# KiCad board chastity.kicad_pcb (continued)
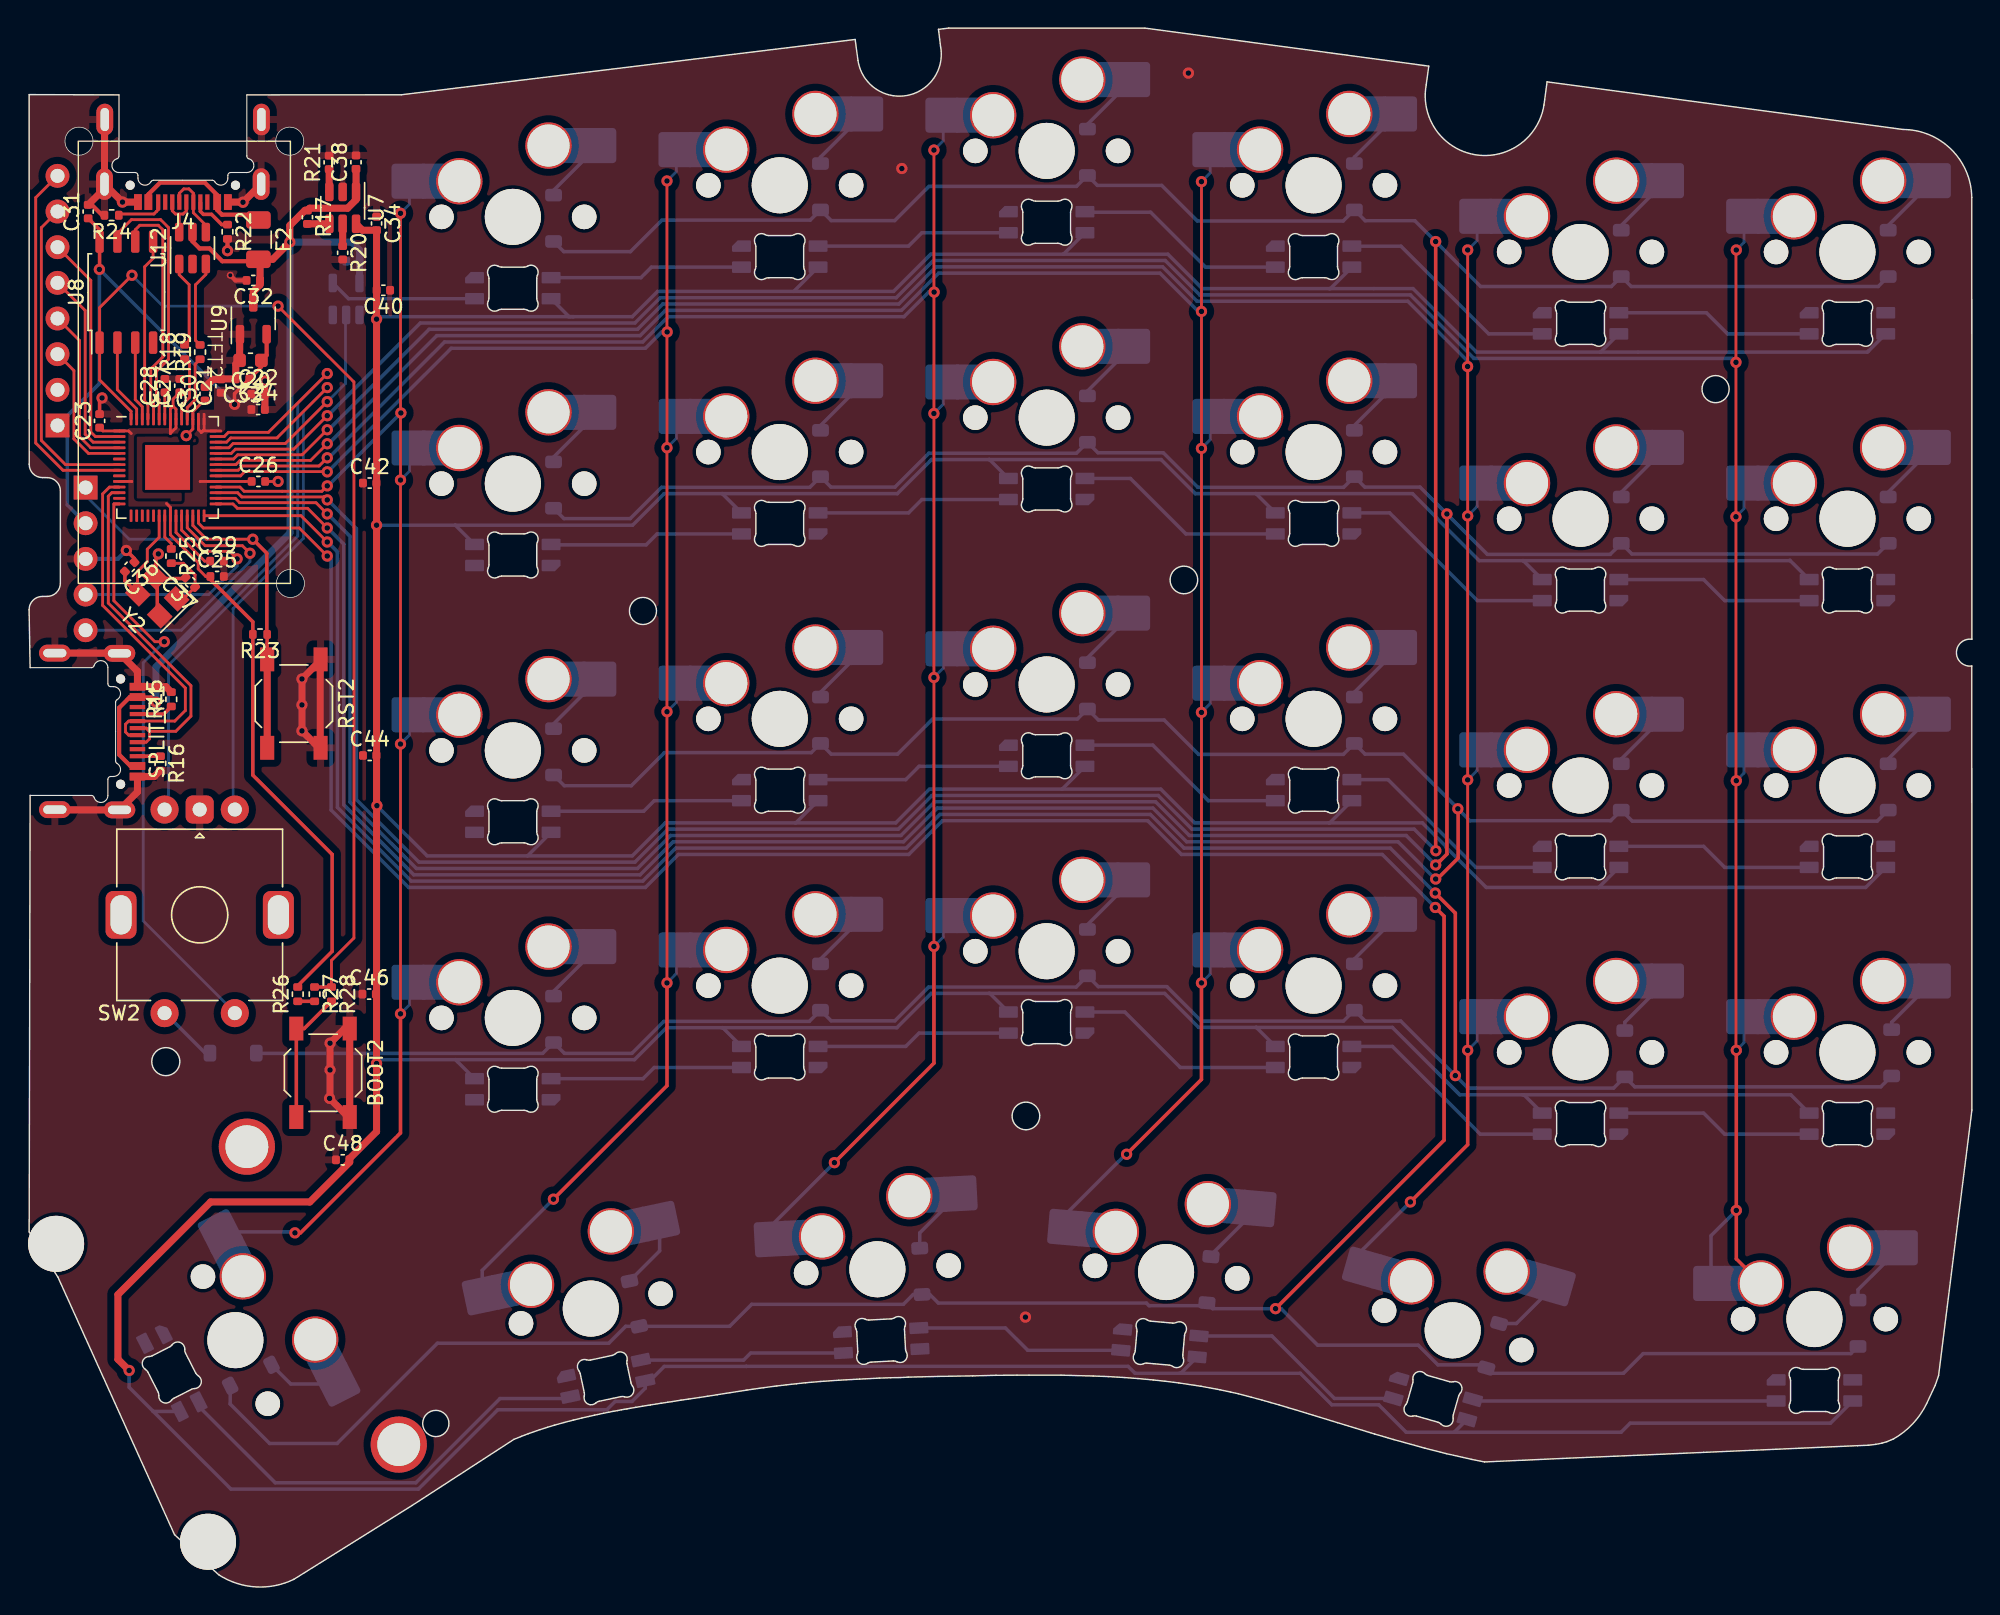
[diagram p0: board, top side]
## Footprints (pads in the part's own frame, mm; a bottom-side part is the same pattern mirrored in y, then rotated) (continued)
  rect 0.54x1.1 smd: A1(-3.2,1.2) A4(-2.45,1.2) A9(2.45,1.2) A12(3.2,1.2) B1(3.2,1.2) B4(2.45,1.2) B9(-2.45,1.2) B12(-3.2,1.2)
  rect 0.3x1.1 smd: A5(-1.25,1.2) A6(-0.25,1.2) A7(0.25,1.2) A8(1.25,1.2) B5(1.75,1.2) B6(0.75,1.2) B7(-0.75,1.2) B8(-1.75,1.2)
  oval 1.2x2.25 hole 0.6x1.65: S1(-5.595,-4.68) S1(-5.575,-0.08) S1(5.555,-4.68) S1(5.575,-0.08)

## Nets
+1V1: C28.1 C29.1 C30.1 U10.23 U10.45 U10.50
+3V3: C20.1 C21.1 C22.1 C23.1 C24.1 C25.1 C26.1 C27.1 C31.1 C33.1 J5.2 J6.1 R23.2 R26.2 U8.8 U9.2 U10.1 U10.10 U10.22 U10.33 U10.42 U10.43 U10.44 U10.48 U10.49
GND: BOOT2.1 C20.2 C21.2 C22.2 C23.2 C24.2 C25.2 C26.2 C27.2 C28.2 C29.2 C30.2 C31.2 C32.2 C33.2 C34.1 C35.1 C36.1 C37.2 C38.2 C40.1 C42.1 C44.1 C46.1 C48.1 J4.A1 J4.A12 J4.B1 J4.B12 J4.S1 J5.3 J6.2 LED31.4 LED32.4 LED33.4 LED34.4 LED35.4 LED36.4 LED37.4 LED38.4 LED39.4 LED40.4 LED41.4 LED42.4 LED43.4 LED44.4 LED45.4 LED46.4 LED47.4 LED48.4 LED49.4 LED50.4 LED51.4 LED52.4 LED53.4 LED54.4 LED55.4 LED56.4 LED57.4 LED58.4 LED59.4 LED60.4 R15.2 R16.2 R20.2 R21.2 R22.2 R24.2 RST2.1 SPLIT_R1.A1 SPLIT_R1.A12 SPLIT_R1.B1 SPLIT_R1.B12 SPLIT_R1.S1 SW2.C U7.2 U8.4 U9.1 U10.19 U10.57 U11.1 U11.3 U12.2 Y2.2 Y2.4
VBUS: F2.1 J4.A4 J4.A9 J4.B4 J4.B9
bl: J6.8 U10.8
clk: J6.4 U10.4
col 0: SW2.S2 U10.14
col 1: MX31.1 MX37.1 MX43.1 MX49.1 MX55.1 U10.32
col 2: MX32.1 MX38.1 MX44.1 MX50.1 MX56.1 U10.34
col 3: MX33.1 MX39.1 MX45.1 MX51.1 MX57.1 U10.35
col 4: MX34.1 MX40.1 MX46.1 MX52.1 MX58.1 U10.36
col 5: MX35.1 MX41.1 MX47.1 MX53.1 MX59.1 U10.37
col 6: MX36.1 MX42.1 MX48.1 MX54.1 MX60.1 U10.38
cs: J6.5 U10.3
CURR_LIM: R20.1 U7.5
D+: R18.2 U12.1
D-: R19.2 U12.3
D_Split_R+: SPLIT_R1.A6 SPLIT_R1.B6 U10.12
D_Split_R-: SPLIT_R1.A7 SPLIT_R1.B7 U10.11
D_USB+: J4.A6 J4.B6 U12.6
D_USB-: J4.A7 J4.B7 U12.4
dc: J6.6 U10.2
DIN: J6.3 U10.5
LED_Data_3V3: U10.39 U11.2
LED_Data_5V: LED31.3 U11.4
LED_Pow_5V: C34.2 C40.2 C42.2 C44.2 C46.2 C48.2 LED31.1 LED32.1 LED33.1 LED34.1 LED35.1 LED36.1 LED37.1 LED38.1 LED39.1 LED40.1 LED41.1 LED42.1 LED43.1 LED44.1 LED45.1 LED46.1 LED47.1 LED48.1 LED49.1 LED50.1 LED51.1 LED52.1 LED53.1 LED54.1 LED55.1 LED56.1 LED57.1 LED58.1 LED59.1 LED60.1 U7.6
Q_CLK: U8.6 U10.52
Q_IO0: U8.5 U10.53
Q_IO1: U8.2 U10.55
Q_IO2: U8.3 U10.54
Q_IO3: U8.7 U10.51
Q_SEL: R27.1 R28.1 U8.1 U10.56
RESET: J5.1 R23.1 RST2.2 U10.26
rot A: SW2.A U10.40
rot B: SW2.B U10.41
row 0: D31.1 D32.1 D33.1 D34.1 D35.1 D36.1 U10.31
row 1: D37.1 D38.1 D39.1 D40.1 D41.1 D42.1 U10.30
row 2: D43.1 D44.1 D45.1 D46.1 D47.1 D48.1 U10.29
row 3: D49.1 D50.1 D51.1 D52.1 D53.1 D54.1 D62.1 U10.28
row 4: D55.1 D56.1 D57.1 D58.1 D59.1 D60.1 U10.27
rst: J6.7 U10.7
SK6803_EN: R21.1 U7.3
SK6803_NFAULT: R17.2 U7.4
Split_5v5_L: C32.1 C35.2 C38.1 F2.2 R17.1 SPLIT_R1.A4 SPLIT_R1.A9 SPLIT_R1.B4 SPLIT_R1.B9 U7.1 U9.3 U11.5 U12.5
SWC: J5.4 U10.24
SWD: J5.5 U10.25
XIN: C36.2 U10.20 Y2.3
XOUT: R25.1 U10.21
Net-(BOOT2-Pad2): BOOT2.2 R28.2
Net-(C37-Pad1): C37.1 R25.2 Y2.1
Net-(D31-A): D31.2 MX31.2
Net-(D32-A): D32.2 MX32.2
Net-(D33-A): D33.2 MX33.2
Net-(D34-A): D34.2 MX34.2
Net-(D35-A): D35.2 MX35.2
Net-(D36-A): D36.2 MX36.2
Net-(D37-A): D37.2 MX37.2
Net-(D38-A): D38.2 MX38.2
Net-(D39-A): D39.2 MX39.2
Net-(D40-A): D40.2 MX40.2
Net-(D41-A): D41.2 MX41.2
Net-(D42-A): D42.2 MX42.2
Net-(D43-A): D43.2 MX43.2
Net-(D44-A): D44.2 MX44.2
Net-(D45-A): D45.2 MX45.2
Net-(D46-A): D46.2 MX46.2
Net-(D47-A): D47.2 MX47.2
Net-(D48-A): D48.2 MX48.2
Net-(D49-A): D49.2 MX49.2
Net-(D50-A): D50.2 MX50.2
Net-(D51-A): D51.2 MX51.2
Net-(D52-A): D52.2 MX52.2
Net-(D53-A): D53.2 MX53.2
Net-(D54-A): D54.2 MX54.2
Net-(D55-A): D55.2 MX55.2
Net-(D56-A): D56.2 MX56.2
Net-(D57-A): D57.2 MX57.2
Net-(D58-A): D58.2 MX58.2
Net-(D59-A): D59.2 MX59.2
Net-(D60-A): D60.2 MX60.2
Net-(D62-A): D62.2 SW2.S1
Net-(J4-CC1): J4.A5 R22.1
Net-(J4-CC2): J4.B5 R24.1
Net-(LED31-DOUT): LED31.2 LED32.3
Net-(LED32-DOUT): LED32.2 LED33.3
Net-(LED33-DOUT): LED33.2 LED34.3
Net-(LED34-DOUT): LED34.2 LED35.3
Net-(LED35-DOUT): LED35.2 LED36.3
Net-(LED36-DOUT): LED36.2 LED42.3
Net-(LED37-DIN): LED37.3 LED38.2
Net-(LED37-DOUT): LED37.2 LED43.3
Net-(LED38-DIN): LED38.3 LED39.2
Net-(LED39-DIN): LED39.3 LED40.2
Net-(LED40-DIN): LED40.3 LED41.2
Net-(LED41-DIN): LED41.3 LED42.2
Net-(LED43-DOUT): LED43.2 LED44.3
Net-(LED44-DOUT): LED44.2 LED45.3
Net-(LED45-DOUT): LED45.2 LED46.3
Net-(LED46-DOUT): LED46.2 LED47.3
Net-(LED47-DOUT): LED47.2 LED48.3
Net-(LED48-DOUT): LED48.2 LED54.3
Net-(LED49-DIN): LED49.3 LED50.2
Net-(LED49-DOUT): LED49.2 LED55.3
Net-(LED50-DIN): LED50.3 LED51.2
Net-(LED51-DIN): LED51.3 LED52.2
Net-(LED52-DIN): LED52.3 LED53.2
Net-(LED53-DIN): LED53.3 LED54.2
Net-(LED55-DOUT): LED55.2 LED56.3
Net-(LED56-DOUT): LED56.2 LED57.3
Net-(LED57-DOUT): LED57.2 LED58.3
Net-(LED58-DOUT): LED58.2 LED59.3
Net-(LED59-DOUT): LED59.2 LED60.3
Net-(R26-Pad1): R26.1 R27.2
Net-(SPLIT_R1-CC1): R15.1 SPLIT_R1.A5
Net-(SPLIT_R1-CC2): R16.1 SPLIT_R1.B5
Net-(U10-USB_DM): R19.1 U10.46
Net-(U10-USB_DP): R18.1 U10.47

Pads without a net: J4 A8 B8; LED60 2; SPLIT_R1 A8 B8; SW2 MP; U10 6 9 13 15 16 17 18

## Via types
v1: diameter 0.8, hole 0.4, Top to Bottom, 93 vias
v2: diameter 0.5, hole 0.3, Top to Bottom, 1 via

## Routing (per net, layer and track width the routed paths; a pad name or vN(x,y) marks a point on that pad's centre or on a via; arc(x,y) is an arc through that point)
+1V1: length 9.5
  Top w0.2: U10.23 10.46,75.1 12.5,73.06 C29.1 ; U10.50 9.66,85.06 C28.1 ; C30.1 12.45,84.49 11.66,83.7 U10.45 11.66,82.47 v1(11.18,81.99)
+3V3: length 99.7
  Top w0.2: 12.18,78.73 U10.33 15.36,78.73 15.36,78.73 C26.1 ; 9.78,77.16 10.06,76.89 U10.22 10.06,74.93 12.04,72.95 12.04,72.5 12.57,71.96 C25.1 ; 10.25,84.09 10.46,83.88 U10.48 10.46,82.55 10.06,82.15 U10.49 10.06,83.89 10.25,84.09 ; 10.25,84.09 10.25,84.6 C27.1 ; 12.26,82.23 12.46,82.42 U10.43 ; 12.26,82.23 12.06,82.43 U10.44 ; 12.26,82.23 12.37,82.33 U10.42 ; 7.27,82.15 7.09,82.33 U10.1 5.25,82.33 C23.1 ; 7.31,78.73 7.3,78.73 U10.10
  Top w0.25: C31.1 5.02,96.66 U8.8 5.02,93.85 v1(5,93.83) ; C20.1 16.53,86.89 C33.1 15.67,86.02 14.63,84.98 v1(14.63,84.22) ; C25.1 12.9,71.75 13.27,71.38 13.28,71.38 15.93,68.73 R23.2 15.92,67.84 15.92,57.82 21.57,52.17 21.57,45.27 19.12,42.82 R26.2
  Top w0.3: U9.2 16.91,87.73 C20.1
  Bottom w0.25: J5.2 2.72,77.06 2.72,82.02 J6.1 5,85.7 v1(5,93.83) 5.02,93.83 v1(14.63,84.22)
GND: length 84
  Top w0.2: v1(17.72,78.73) C26.2
  Top w0.25: Y2.4 9.12,69.35 9.12,71.77 9.15,71.79 ; C36.1 7.5,73.24 v1(6.92,73.82) ; C23.2 5.02,84.5 v1(5.19,84.68) ; C37.2 11.06,71.81 9.03,71.81 9.03,73.4 v1(9.2,73.57)
  Top w0.3: C31.2 4.47,98.43 5.21,97.69 R24.2 ; v1(14.12,95.17) R22.2 ; v2(14.32,93.42) 14.69,93.05 C32.2
  Top w0.5: C30.2 13.07,86 C21.2 13.69,86.03 C33.2 14.71,87.08 C20.2 14.98,89.19 U9.1 ; R16.2 8.92,57.71 SPLIT_R1.A12 7.71,56.62 SPLIT_R1.S1 1.85,55.34 SPLIT_R1.S1 ; v1(16.8,85.89) 16.78,85.86 C22.2 16.78,84.95 C24.2 ; J4.S1 v1(15.23,98.62) 15.24,98.63 J4.A1 ; J4.S1 5.37,104.49 J4.S1 ; J4.S1 5.37,99.59 C31.2 ; J4.S1 v1(6.65,98.63) J4.A12 ; R15.2 9.73,64.11 SPLIT_R1.A1 7.71,65.21 SPLIT_R1.S1 6.41,66.51 SPLIT_R1.S1 ; v1(21.42,36.82) 21.42,34.82 v1(21.39,34.79) 22.72,33.47 BOOT2.1 BOOT2.1 22.46,39.77 v1(21.42,38.73) v1(21.42,36.82) ; v1(19.42,64.67) 20.72,65.97 20.72,59.67 v1(19.42,60.97) v1(19.42,62.82) v1(19.42,64.67)
  Bottom w0.3: J5.3 6.32,73.22 v1(6.92,73.82)
  vias: v1(62.12,101.02) v1(70.92,19.22) v1(82.52,107.82)
VBUS: length 10.5
  Top w0.3: J4.A9 8.49,99.18 9.33,100.02 12.5,100.02 13.39,99.12 J4.A4 13.39,98.06 13.73,97.73 15.95,97.73 F2.1
bl: length 26.4
  Top w0.2: U10.8 2.41,79.53 0.47,81.47 0.47,98.95 J6.8
clk: length 12.2
  Top w0.2: J6.4 3.59,88.77 3.59,81.93 4.39,81.13 U10.4
col 0: length 41.8
  Top w0.2: v1(9.62,67.32) 8.95,67.32 6.04,70.23 6.04,77.13 U10.14
  Bottom w0.2: SW2.S2 14.64,40.91 8.12,47.44 8.12,65.82 v1(9.62,67.32)
col 1: length 106.9
  Top w0.2: v1(26.44,40.82) v1(26.44,60.03) v1(26.44,78.83) 26.44,83.58 v1(26.47,83.61) 26.44,83.64 v1(26.44,97.83) ; U10.32 15.01,78.33 15.31,78.03 18.01,78.03 18.01,78.03 20.84,78.03 v1(21.22,78.42)
  Top w0.25: v1(26.44,40.82) 26.44,32.33 19.32,25.22 v1(18.92,25.22)
  Bottom w0.2: v1(26.44,78.83) 27.07,79.47 MX37.1 ; v1(26.44,60.03) 27.07,60.67 MX43.1 ; MX49.1 27.07,41.45 v1(26.44,40.82) ; v1(26.44,97.83) 27.07,98.47 MX31.1
  Bottom w0.25: v1(21.22,78.42) 21.27,78.42 v1(26.47,83.61) ; v1(18.92,25.22) 18.85,25.29 MX55.1
col 2: length 131.1
  Top w0.2: U10.34 15.05,79.13 15.35,79.43 21.21,79.43 v1(21.22,79.42) ; v1(45.41,100.13) 45.41,89.39 v1(45.42,89.38) 45.41,89.37 v1(45.41,81.13) v1(45.41,62.33) v1(45.41,43.02)
  Top w0.25: v1(45.41,43.02) 45.41,35.7 v1(37.32,27.62)
  Bottom w0.2: v1(45.41,100.13) 46.07,100.8 MX32.1 ; MX44.1 46.07,63 v1(45.41,62.33) ; MX38.1 46.07,81.8 v1(45.41,81.13) ; MX50.1 46.07,43.68 v1(45.41,43.02)
  Bottom w0.25: v1(21.22,79.42) 21.25,79.42 30.05,88.22 43.87,88.22 45.03,89.38 v1(45.42,89.38) ; MX56.1 32.26,22.55 v1(37.32,27.62)
col 3: length 148.8
  Top w0.2: U10.35 14.88,79.53 15.19,79.83 20.64,79.83 v1(21.22,80.42) ; v1(64.41,102.33) 64.41,92.23 v1(64.42,92.22) 64.41,92.2 v1(64.41,83.57) v1(64.41,64.77) v1(64.41,45.62)
  Top w0.25: v1(57.32,30.22) 64.41,37.3 v1(64.41,45.62)
  Bottom w0.2: MX45.1 65.07,65.44 v1(64.41,64.77) ; v1(64.41,45.62) 65.07,46.28 MX51.1 ; MX39.1 65.07,84.24 v1(64.41,83.57) ; v1(64.41,102.33) 65.07,103 MX33.1
  Bottom w0.25: v1(21.22,80.42) 21.32,80.42 29.57,88.67 43.68,88.67 45.48,90.47 62.28,90.47 64.03,92.22 v1(64.42,92.22) ; v1(57.32,30.22) 52.9,25.79 MX57.1
col 4: length 165.5
  Top w0.2: v1(83.45,43.02) v1(83.45,62.28) v1(83.45,81.08) v1(83.45,90.84) v1(83.45,100.08) ; U10.36 14.72,79.93 15.02,80.23 20.04,80.23 v1(21.22,81.42)
  Top w0.25: v1(83.45,43.02) 83.45,36.14 v1(78.12,30.82)
  Bottom w0.2: MX40.1 84.07,81.71 v1(83.45,81.08) ; v1(83.45,43.02) 84.07,43.64 MX52.1 ; MX34.1 84.07,100.71 v1(83.45,100.08) ; MX46.1 84.07,62.91 v1(83.45,62.28)
  Bottom w0.25: v1(21.22,81.42) 21.32,81.42 29.02,89.12 43.5,89.12 45.3,90.92 62.1,90.92 64.75,93.57 80.5,93.57 83.22,90.84 v1(83.45,90.84) ; MX58.1 73.82,26.57 78.07,30.82 v1(78.12,30.82)
col 5: length 183.9
  Top w0.2: v1(102.4,95.22) 102.4,86.93 v1(102.39,86.92) 102.4,86.91 v1(102.4,76.28) v1(102.4,57.48) v1(102.4,38.22) ; U10.37 14.55,80.33 14.85,80.63 19.44,80.63 v1(21.22,82.41)
  Top w0.25: v1(102.4,38.22) 102.4,31.49 v1(98.32,27.42)
  Bottom w0.2: v1(102.4,57.48) 103.07,58.15 MX47.1 ; v1(102.4,76.28) 103.07,76.95 MX41.1 ; v1(102.4,38.22) 103.07,38.89 MX53.1 ; MX35.1 103.07,95.89 v1(102.4,95.22)
  Bottom w0.25: v1(98.32,27.42) 94.96,24.05 MX59.1 ; v1(21.22,82.41) 21.32,82.41 28.47,89.57 43.31,89.57 45.11,91.37 61.91,91.37 64.56,94.02 80.69,94.02 83.14,91.57 98.14,91.57 102.39,87.31 v1(102.39,86.92)
col 6: length 207.5
  Top w0.2: v1(121.52,38.22) 121.5,38.24 121.5,57.39 v1(121.52,57.42) 121.5,57.44 v1(121.5,76.22) v1(121.5,87.22) 121.5,95.19 v1(121.52,95.22) ; v1(21.22,83.41) 18.84,81.03 14.69,81.03 14.39,80.73 U10.38
  Top w0.25: MX60.1 121.52,23.37 v1(121.52,26.82) v1(121.52,38.22)
  Bottom w0.2: v1(121.5,76.22) 122.07,76.79 MX42.1 ; MX36.1 122.07,95.77 v1(121.52,95.22) ; v1(121.52,57.42) 122.07,57.97 MX48.1 ; v1(121.52,38.22) 122.07,38.77 MX54.1
  Bottom w0.25: MX60.1 119.72,25.02 v1(121.52,26.82) ; v1(21.22,83.41) 21.25,83.41 27.85,90.02 43.12,90.02 44.92,91.82 61.72,91.82 64.37,94.47 80.87,94.47 83.32,92.02 98.32,92.02 102.85,87.49 121.22,87.49 v1(121.5,87.22)
cs: length 14.3
  Top w0.2: U10.3 4.56,81.53 3.99,82.09 3.99,90.91 J6.5
CURR_LIM: length 1.6
  Top w0.5: U7.5 R20.1
D+: length 6.2
  Top w0.2: R18.2 11.39,88.78 11.39,92.75 10.68,93.46 U12.1
D-: length 6.2
  Top w0.2: R19.2 11.84,88.78 11.84,92.74 12.58,93.48 U12.3
D_Split_R+: length 25.1
  Top w0.2: 8.56,60.94 8.34,61.16 SPLIT_R1.A6 ; 8.56,60.94 8.56,60.39 8.34,60.16 SPLIT_R1.B6 ; 8.56,60.94 8.4,61.1 ; 8.56,60.94 10.44,60.94 11.52,62.02 11.52,64.18 5.64,70.07 5.64,77.68 5.89,77.93 U10.12
D_Split_R-: length 25.4
  Top w0.2: SPLIT_R1.A7 7.09,60.66 6.86,60.89 6.86,61.44 7.09,61.66 SPLIT_R1.B7 10.37,61.66 11.12,62.42 11.12,64.02 5.24,69.9 5.24,77.84 5.72,78.33 U10.11
D_USB+: length 3.7
  Top w0.2: J4.A6 11.19,98 10.97,97.78 10.42,97.78 10.19,98 J4.B6 ; U12.6 10.68,96.49 10.68,97.78
D_USB-: length 5
  Top w0.2: U12.4 12.58,96.98 11.69,97.87 J4.B7 11.69,99.25 11.38,99.57 11.01,99.57 10.69,99.25 J4.A7
dc: length 16.3
  Top w0.2: J6.6 4.39,93.05 4.39,82.26 4.72,81.93 U10.2
DIN: length 10.2
  Top w0.2: J6.3 3.19,86.63 3.19,81.76 4.22,80.73 U10.5
LED_Data_3V3: length 16
  Top w0.2: v1(21.22,84.41) 18.24,81.43 14.52,81.43 14.22,81.13 U10.39
  Bottom w0.2: v1(21.22,84.41) 22.52,85.71 22.52,90.55 U11.2
LED_Data_5V: length 10.6
  Bottom w0.25: LED31.3 22.74,91.74 U11.4
LED_Pow_5V: length 717.2
  Top w0.5: U7.6 23.73,96.62 C34.2 v1(24.73,75.62) 24.73,32.43 22.8,30.5 C48.2 22.8,30.23 19.99,27.42 12.92,27.42 6.32,20.82 6.32,16.22 v1(7.12,15.42)
  Bottom w0.25: 73.52,56.82 64.09,56.82 61.69,54.42 54.52,54.42 ; 73.52,56.82 80.56,56.82 82.96,54.42 92.52,54.42 ; 73.52,56.82 73.53,56.82 LED45.1 ; 92.52,54.42 99.17,54.42 100.86,52.73 100.86,52.68 103.72,49.82 111.72,49.82 ; 92.52,54.42 92.58,54.42 94.16,55.99 ; 8.82,12.52 7.12,14.22 v1(7.12,15.42) ; 8.82,12.52 8.84,12.5 LED55.1 ; 8.82,12.52 14.37,6.97 27.71,6.97 33.36,12.62 41.12,12.62 41.72,13.21 42.92,13.21 43.86,14.15 LED56.1 43.99,14.82 44.32,14.82 45.21,15.71 51.05,15.71 51.05,15.71 78.23,15.71 78.72,15.22 81.92,15.22 ; 49.32,39.83 49.37,39.83 LED50.1 ; 49.32,39.83 61.77,39.83 64.21,42.27 68.32,42.27 ; 49.32,39.83 45.37,39.83 43.09,37.55 30.35,37.55 ; 106.32,35.05 125.4,35.05 LED54.1 ; 106.32,35.05 106.4,35.05 LED53.1 ; 106.32,35.05 101.84,35.05 97.04,39.85 87.32,39.85 ; 49.32,77.86 61.81,77.86 64.23,80.29 68.32,80.29 ; 49.32,77.86 49.34,77.86 LED38.1 ; 49.32,77.86 45.21,77.86 42.96,75.62 30.32,75.62 ; 30.35,37.55 LED49.1 ; 30.35,37.55 25.01,37.55 v1(24.73,37.28) ; 81.92,15.22 81.98,15.22 LED58.1 ; 81.92,15.22 90.49,15.22 92.73,12.97 96.07,12.97 98.02,11.02 101.44,11.02 ; 106.32,73.09 103.22,73.09 100.2,76.12 100.2,76.14 98.48,77.86 87.32,77.86 ; 106.32,73.09 125.31,73.09 125.34,73.11 LED42.1 ; 106.32,73.09 106.36,73.09 LED41.1 ; 35.48,52.07 28.33,52.07 v1(24.76,55.64) ; 35.48,52.07 LED43.1 ; 35.48,52.07 42.94,52.07 45.29,54.42 54.52,54.42 ; 73.61,94.92 64.19,94.92 61.54,92.27 44.74,92.27 42.94,90.47 38.72,90.47 ; 73.61,94.92 73.63,94.92 LED33.1 ; 73.61,94.92 81.06,94.92 83.51,92.47 92.56,92.47 ; 68.32,42.27 68.38,42.27 LED51.1 ; 68.32,42.27 80.83,42.27 83.25,39.85 87.32,39.85 ; 87.32,39.85 87.35,39.85 LED52.1 ; 94.16,93.99 92.63,92.47 92.56,92.47 ; 54.52,54.42 54.58,54.42 LED44.1 ; 68.32,80.29 68.36,80.29 LED39.1 ; 68.32,80.29 80.58,80.29 83.01,77.86 87.32,77.86 ; LED40.1 87.34,77.86 87.32,77.86 ; 101.44,11.02 113.32,11.02 113.97,11.66 128.23,11.66 LED60.1 ; 101.44,11.02 LED59.1 ; 30.32,75.62 30.34,75.62 LED37.1 ; 30.32,75.62 v1(24.73,75.62) ; v1(24.73,90.29) 24.91,90.47 38.72,90.47 ; 111.72,49.82 130.73,49.82 132.16,51.24 ; 111.72,49.82 111.73,49.82 113.16,51.24 ; 38.72,90.47 38.44,90.47 LED31.1 ; 113.16,89.24 111.86,87.94 111.84,87.94 ; LED32.1 54.43,92.27 ; 111.84,87.94 130.85,87.94 130.92,88.02 130.93,88.02 132.16,89.24 ; 111.84,87.94 103.03,87.94 98.51,92.47 92.56,92.47
Q_CLK: length 17
  Top w0.2: U8.6 7.56,96.65 7.88,96.98 9.2,96.98 9.52,96.65 9.52,87.6 8.66,86.74 8.66,84.59 8.86,84.39 U10.52
Q_IO0: length 13
  Top w0.2: U10.53 8.46,84.22 8.23,84.45 8.23,94.02 8.83,94.62 U8.5
Q_IO1: length 6
  Top w0.2: U10.55 7.66,83.89 6.28,85.27 6.28,88.61 U8.2
Q_IO2: length 5.7
  Top w0.2: U8.3 7.56,84.56 8.06,84.06 U10.54
Q_IO3: length 18.9
  Top w0.2: U10.51 9.26,84.56 9.06,84.75 9.06,86.57 9.92,87.43 9.92,96.82 9.36,97.38 7.28,97.38 6.29,96.38 U8.7
Q_SEL: length 76
  Top w0.2: R28.1 21.52,44.62 23.12,46.22 23.12,85.82 v1(17.72,91.22) ; v1(7.32,93.42) 5.02,91.11 U8.1 5.02,85.97 7.26,83.73 U10.56
  Top w0.25: R27.1 R28.1
  Bottom w0.2: v1(7.32,93.42) 9.52,91.22 v1(17.72,91.22)
RESET: length 34.4
  Top w0.2: v1(15.92,74.62) 12.64,74.62 11.66,75.59 U10.26
  Top w0.25: RST2.2 16.95,67.19 16.95,67.19 R23.1 16.92,67.86 16.92,73.62 v1(15.92,74.62)
  Top w0.5: RST2.2 RST2.2
  Bottom w0.2: v1(15.92,74.62) 7.12,74.62 4.02,77.72 J5.1
rot A: length 42.4
  Top w0.2: U10.40 14.06,81.53 14.36,81.83 17.65,81.83 21.22,85.41 v1(21.22,85.42)
  Bottom w0.2: SW2.A 14.52,55.49 14.52,69.67 19.52,74.67 19.52,83.72 v1(21.22,85.42)
rot B: length 45.6
  Top w0.2: U10.41 13.89,81.93 14.19,82.23 17.04,82.23 v1(21.22,86.42)
  Bottom w0.2: v1(21.22,86.42) 19.12,84.32 19.12,74.84 9.92,65.64 9.92,55.64 SW2.B
row 0: length 259
  Top w0.2: v1(21.22,77.42) 21.01,77.63 21,77.63 15.14,77.63 14.84,77.93 U10.31
  Top w0.25: v1(100.14,52.43) 100.12,52.44 v1(100.12,95.82)
  Bottom w0.25: v1(100.14,52.43) 98.6,53.97 82.77,53.97 80.37,56.37 64.27,56.37 61.87,53.97 45.47,53.97 43.12,51.62 27.76,51.62 23.3,56.08 23.3,75.37 21.25,77.42 v1(21.22,77.42) ; D36.1 131.63,92.62 114.04,92.62 D35.1 112.63,92.62 103.32,92.62 v1(100.12,95.82) 98.64,97.3 95.11,97.3 D34.1 93.54,97.28 83.16,97.28 80.62,99.82 76.04,99.82 D33.1 74.56,99.75 64.05,99.75 61.61,97.31 57.1,97.31 D32.1 55.6,97.34 45.05,97.34 42.8,95.1 38.06,95.1 D31.1
row 1: length 241.1
  Top w0.2: v1(21.22,76.42) 20.42,77.22 14.99,77.22 14.68,77.53 U10.30
  Top w0.25: v1(100.12,51.42) 100.4,51.69 100.42,51.69 100.92,52.19 v1(100.92,76.42)
  Bottom w0.25: v1(100.12,51.42) 98.02,53.52 82.59,53.52 80.18,55.92 64.46,55.92 62.06,53.52 45.66,53.52 43.31,51.17 27.57,51.17 22.85,55.89 22.85,74.82 21.25,76.42 v1(21.22,76.42) ; D37.1 38.07,76.09 42.79,76.09 45.02,78.31 55.57,78.31 D38.1 57.08,78.33 61.64,78.33 64.05,80.74 74.55,80.74 D39.1 76.08,80.77 80.73,80.77 83.19,78.31 93.57,78.31 D40.1 95.08,78.33 99.01,78.33 v1(100.92,76.42) 103.8,73.54 112.55,73.54 D41.1 114.09,73.56 131.57,73.56 D42.1
row 2: length 221.6
  Top w0.2: U10.29 14.51,77.13 14.82,76.82 19.82,76.82 v1(21.22,75.42)
  Top w0.25: v1(100.12,50.42) 100.24,50.42 101.72,51.9 101.72,55.4 v1(101.7,55.42)
  Bottom w0.25: D48.1 131.55,54.54 114.12,54.54 D47.1 112.58,54.57 102.55,54.57 v1(101.7,55.42) 101.7,55.44 97.83,59.31 95.1,59.31 D46.1 93.55,59.29 83.25,59.29 80.8,61.74 76.12,61.74 D45.1 74.63,61.82 64.32,61.82 61.82,59.31 57.1,59.31 D44.1 55.68,59.42 45.22,59.42 42.87,57.06 38.1,57.06 D43.1 ; v1(100.12,50.42) 100.1,50.42 97.45,53.07 82.4,53.07 80,55.47 64.65,55.47 62.25,53.07 45.85,53.07 43.5,50.72 27.39,50.72 22.4,55.7 22.4,74.27 21.25,75.42 v1(21.22,75.42)
row 3: length 251.8
  Top w0.2: v1(21.22,74.42) 19.35,76.29 U10.28
  Top w0.25: v1(101.52,36.42) 101.52,47.99 v1(100.09,49.42)
  Bottom w0.25: v1(100.09,49.42) 96.9,52.62 82.21,52.62 79.81,55.02 64.83,55.02 62.43,52.62 46.03,52.62 43.68,50.27 27.2,50.27 21.95,55.52 21.95,73.72 21.25,74.42 v1(21.22,74.42) ; D54.1 131.81,35.62 114.29,35.62 D53.1 112.79,35.53 102.41,35.53 v1(101.52,36.42) 97.64,40.3 95.11,40.3 D52.1 93.56,40.3 83.44,40.3 80.99,42.75 76.11,42.75 D51.1 74.53,42.72 64.03,42.72 61.62,40.32 57.09,40.32 D50.1 55.54,40.28 45.19,40.28 42.91,38 38.11,38 D49.1 36.56,38 16.19,38 D62.1
row 4: length 274.1
  Top w0.2: U10.27 12.06,75.76 12.4,75.42 19.23,75.42 v1(21.22,73.42)
  Top w0.25: v1(88.72,19.82) 100.72,31.82 100.72,47.76 v1(100.1,48.39)
  Bottom w0.25: D55.1 14.31,13.03 17.12,10.22 21.92,10.22 29.06,17.36 41.26,17.36 42.47,18.56 D56.1 49.87,18.56 51.43,20.13 62.23,20.13 62.93,20.83 D57.1 64.11,20.83 64.72,20.22 79.53,20.22 79.72,20.03 83.64,20.03 D58.1 84.25,19.82 v1(88.72,19.82) 89.12,19.82 91.72,17.22 98.88,17.22 100.28,15.82 103.5,15.82 D59.1 104.1,15.22 113.49,15.22 114.89,16.62 129.68,16.62 D60.1 ; v1(21.22,73.42) 21.5,73.14 21.5,55.33 27.01,49.82 43.87,49.82 46.22,52.17 62.62,52.17 65.02,54.57 79.63,54.57 82.03,52.17 96.32,52.17 v1(100.1,48.39)
rst: length 23
  Top w0.2: U10.7 2.59,79.93 0.87,81.65 0.87,96.81 J6.7
SK6803_EN: length 1.6
  Top w0.5: R21.1 21.36,99.37 U7.3
SK6803_NFAULT: length 1.6
  Top w0.5: R17.2 19.82,97.08 U7.4
Split_5v5_L: length 73.2
  Top w0.25: SPLIT_R1.A4 8.68,63.36 v1(9.03,63.02)
  Top w0.3: SPLIT_R1.A4 7.16,63.36 6.41,62.61 6.41,59.27 7.22,58.46 SPLIT_R1.A9 ; F2.2 16.19,94.42 13.75,94.42 12.84,95.33 12.14,95.33 11.63,95.83 U12.5
  Top w0.5: U9.3 15.96,92.25 16.44,92.73 C32.1 16.44,94.44 F2.2 17.34,94.55 v1(18.56,95.78) 18.56,96.96 19.63,98.03 R17.1 19.97,98.19 22.67,98.19 23.27,98.79 U7.1 23.27,100.98 C38.1
  Bottom w0.5: U11.5 23.52,92.87 23.52,95.22 22.96,95.78 v1(18.56,95.78) 18.57,95.77 18.57,75.07 9.03,65.52 v1(9.03,63.02)
SWC: length 18
  Top w0.2: U10.24 10.86,75.26 12.37,73.75 14.27,73.75 v1(14.81,73.22)
  Bottom w0.2: v1(14.81,73.22) 14.81,72.7 12.78,70.68 J5.4
SWD: length 20.4
  Top w0.2: v1(15.72,73.62) 15.19,74.15 12.53,74.15 11.26,75.43 U10.25
  Bottom w0.2: J5.5 10.84,68.14 15.72,73.02 v1(15.72,73.62)
XIN: length 8.3
  Top w0.2: U10.20 9.26,74.75 8.41,73.91 8.41,73.01 7.72,72.32 7.72,70.81 7.86,70.68
  Top w0.25: C36.2 6.82,71.65 Y2.3
XOUT: length 2.6
  Top w0.2: R25.1 10.12,74.3 9.66,74.77 U10.21
Net-(BOOT2-Pad2): length 9.6
  Top w0.25: BOOT2.2 19.01,39.77 ; BOOT2.2 BOOT2.2 ; BOOT2.2 19.58,39.77 R28.2
Net-(C37-Pad1): length 4.6
  Top w0.2: Y2.1 10.98,70.38 C37.1 11.81,72.07 10.98,72.91 R25.2
Net-(D31-A): length 4.9
  Bottom w0.25: D31.2 37.33,99.46 MX31.2
Net-(D32-A): length 4.9
  Bottom w0.25: D32.2 56.32,101.39 56.32,101.82 59.41,104.9 MX32.2
Net-(D33-A): length 4.9
  Bottom w0.25: D33.2 75.33,104.16 MX33.2
Net-(D34-A): length 4.9
  Bottom w0.25: D34.2 94.33,101.83 97.41,104.9 MX34.2
Net-(D35-A): length 4.9
  Bottom w0.25: D35.2 113.33,96.96 MX35.2
Net-(D36-A): length 4.9
  Bottom w0.25: MX36.2 132.33,96.96 D36.2
Net-(D37-A): length 4.9
  Bottom w0.25: MX37.2 37.33,80.46 D37.2
Net-(D38-A): length 4.9
  Bottom w0.25: MX38.2 56.33,82.71 D38.2
Net-(D39-A): length 4.9
  Bottom w0.25: D39.2 75.33,85.16 MX39.2
Net-(D40-A): length 4.9
  Bottom w0.25: D40.2 94.33,82.71 MX40.2
Net-(D41-A): length 4.9
  Bottom w0.25: D41.2 113.33,77.96 MX41.2
Net-(D42-A): length 4.9
  Bottom w0.25: D42.2 132.33,77.96 MX42.2
Net-(D43-A): length 4.9
  Bottom w0.25: MX43.2 37.33,61.46 D43.2
Net-(D44-A): length 4.9
  Bottom w0.25: D44.2 56.33,63.71 MX44.2
Net-(D45-A): length 4.9
  Bottom w0.25: D45.2 75.33,66.16 MX45.2
Net-(D46-A): length 4.9
  Bottom w0.25: MX46.2 94.33,63.71 D46.2
Net-(D47-A): length 4.9
  Bottom w0.25: D47.2 113.33,58.96 MX47.2
Net-(D48-A): length 4.9
  Bottom w0.25: D48.2 132.33,58.96 MX48.2
Net-(D49-A): length 4.9
  Bottom w0.25: D49.2 37.33,42.41 MX49.2
Net-(D50-A): length 4.9
  Bottom w0.25: MX50.2 56.33,44.71 D50.2
Net-(D51-A): length 4.9
  Bottom w0.25: MX51.2 75.33,47.16 D51.2
Net-(D52-A): length 4.9
  Bottom w0.25: D52.2 94.33,44.71 MX52.2
Net-(D53-A): length 4.7
  Bottom w0.25: MX53.2 113.59,40.22 D53.2
Net-(D54-A): length 4.7
  Bottom w0.25: D54.2 132.58,40.21 MX54.2
Net-(D55-A): length 5.3
  Bottom w0.25: D55.2 18.62,14.45 MX55.2
Net-(D56-A): length 5.2
  Bottom w0.25: D56.2 44.88,23.93 MX56.2
Net-(D57-A): length 5.1
  Bottom w0.25: MX57.2 63.4,25.21 D57.2
Net-(D58-A): length 4.8
  Bottom w0.25: D58.2 84.13,23.64 MX58.2
Net-(D59-A): length 5.1
  Bottom w0.25: MX59.2 105.87,18.76 D59.2
Net-(D60-A): length 5
  Bottom w0.25: D60.2 130.18,21.16 MX60.2
Net-(D62-A): length 4.4
  Bottom w0.25: SW2.S1 9.69,40.87 12.54,38.02 D62.2
Net-(J4-CC1): length 3
  Top w0.25: R22.1 13.71,97.03 12.99,97.75 12.41,97.75 12.19,97.97 J4.A5
Net-(J4-CC2): length 3.5
  Top w0.2: R24.1 6.47,97.78 8.89,97.78 9.06,97.95 9.06,97.96 9.19,98.09 J4.B5
Net-(LED31-DOUT): length 13.9
  Bottom w0.25: LED31.2 43.55,93.24 44.3,93.99 LED32.3
Net-(LED32-DOUT): length 13.9
  Bottom w0.25: LED33.3 63.55,96.44 62.6,95.49 LED32.2
Net-(LED33-DOUT): length 15.2
  Bottom w0.25: LED34.3 83.74,93.99 79.83,97.91 75.2,97.91 LED33.2
Net-(LED34-DOUT): length 16.1
  Bottom w0.25: LED35.3 103.89,89.24 97.65,95.49 94.17,95.49 94.16,95.49
Net-(LED35-DOUT): length 14.2
  Bottom w0.25: 113.16,90.74 119.39,90.74 120.89,89.24 LED36.3
Net-(LED37-DIN): length 13.9
  Bottom w0.25: LED38.2 44.7,74.99 43.92,74.22 37.19,74.22 LED37.3
Net-(LED38-DIN): length 13.9
  Bottom w0.25: LED38.3 62.6,76.49 63.55,77.44 LED39.2
Net-(LED39-DIN): length 15.2
  Bottom w0.25: LED40.2 82.34,74.99 78.39,78.94 LED39.3
Net-(LED40-DIN): length 16.1
  Bottom w0.25: 94.16,76.49 96.84,76.49 103.09,70.24 LED41.2
Net-(LED41-DIN): length 14.2
  Bottom w0.25: LED42.2 120.69,70.24 119.19,71.74 113.16,71.74
Net-(LED43-DOUT): length 13.9
  Bottom w0.25: LED44.3 44.5,55.99 43.75,55.24 LED43.2
Net-(LED44-DOUT): length 13.9
  Bottom w0.25: LED45.3 63.35,58.44 62.4,57.49 LED44.2
Net-(LED45-DOUT): length 15.2
  Bottom w0.25: LED45.2 75.17,59.95 79.99,59.95 83.94,55.99 LED46.3
Net-(LED46-DOUT): length 16.1
  Bottom w0.25: LED47.3 102.98,51.24 96.73,57.49 94.16,57.49
Net-(LED47-DOUT): length 14.2
  Bottom w0.25: LED48.3 120.69,51.24 119.19,52.74 113.16,52.74
Net-(LED49-DIN): length 13.9
  Bottom w0.25: LED50.2 44.5,36.99 43.7,36.19 LED49.3
Net-(LED50-DIN): length 13.9
  Bottom w0.25: LED51.2 63.35,39.44 62.4,38.49 LED50.3
Net-(LED51-DIN): length 15.2
  Bottom w0.25: LED51.3 77.99,40.94 81.94,36.99 LED52.2
Net-(LED52-DIN): length 16.1
  Bottom w0.25: LED53.2 103.29,32.24 97.04,38.49 94.16,38.49
Net-(LED53-DIN): length 14.2
  Bottom w0.25: LED54.2 120.69,32.24 119.19,33.74 113.16,33.74
Net-(LED55-DOUT): length 31.6
  Bottom w0.25: LED56.3 38.39,13.42 33.52,13.42 27.52,7.42 17.52,7.42 12.06,12.88 LED55.2
Net-(LED56-DOUT): length 14.6
  Bottom w0.25: LED56.2 50.86,16.16 51.37,16.66 LED57.3
Net-(LED57-DOUT): length 15
  Bottom w0.25: LED57.2 69.5,18.44 71.09,16.85 LED58.3
Net-(LED58-DOUT): length 15.7
  Bottom w0.25: LED58.2 88.47,17.87 92.92,13.42 LED59.3
Net-(LED59-DOUT): length 21.6
  Bottom w0.25: LED60.3 102.88,13.24 LED59.2
Net-(R26-Pad1): length 1.2
  Top w0.25: R27.2 R26.1
Net-(SPLIT_R1-CC1): length 2.6
  Top w0.25: SPLIT_R1.A5 9.58,62.16 R15.1
Net-(SPLIT_R1-CC2): length 1.6
  Top w0.25: R16.1 SPLIT_R1.B5
Net-(U10-USB_DM): length 4.6
  Top w0.2: U10.46 11.26,83.99 11.82,84.55 11.82,87.08 R19.1
Net-(U10-USB_DP): length 4.7
  Top w0.2: R18.1 11.42,87.09 11.42,84.72 10.86,84.15 U10.47

## Copper pours and planes (outline as drawn; the poured copper is in the pictures)
+3V3 on Top: 16.3,85.47 16.29,83.33 13.97,83.36 13.96,82.12 12.64,82.13 12.67,76.94 7.07,76.94 7.07,82.54 9.87,82.54 10.87,82.52 11.87,82.52 11.85,83.84 13.16,83.84 13.16,85.48
GND on Top, Bottom: 142.57,30.79 142.12,106.62 79.39,114.91 65.3,114.91 28.26,110.63 -2.31,109.45 -2.28,64.85 -2.68,27.82 -2.48,24.45 3.49,10.45 9.09,-0.95 15.16,-5.53 35.6,5.66 46.94,8.55 61.84,10.33 82.08,10.11 103.2,3.66 138.79,6.55
(no net) on Top: 11.87,81.52 8.27,81.52 8.27,78.12 10.87,78.12 10.87,77.32 10.07,77.32 10.07,77.52 7.67,77.52 7.67,81.92 10.63,81.93 10.62,82.26 10.86,82.25 10.87,82.52 11.87,82.52
